# Altium PCB pcb_88.PcbDoc (part 3 of 3)
Units mil, origin at the board's own origin, x right, y up, seen from the top; angles counter-clockwise.
Board outline 3464.57 x 3464.57 mil, 4 copper layers (Top Layer, Layer 1, Layer 2, Bottom Layer), stack 61.772 mil thick; 395 components, 296 nets, 1218 pads, 390 vias.
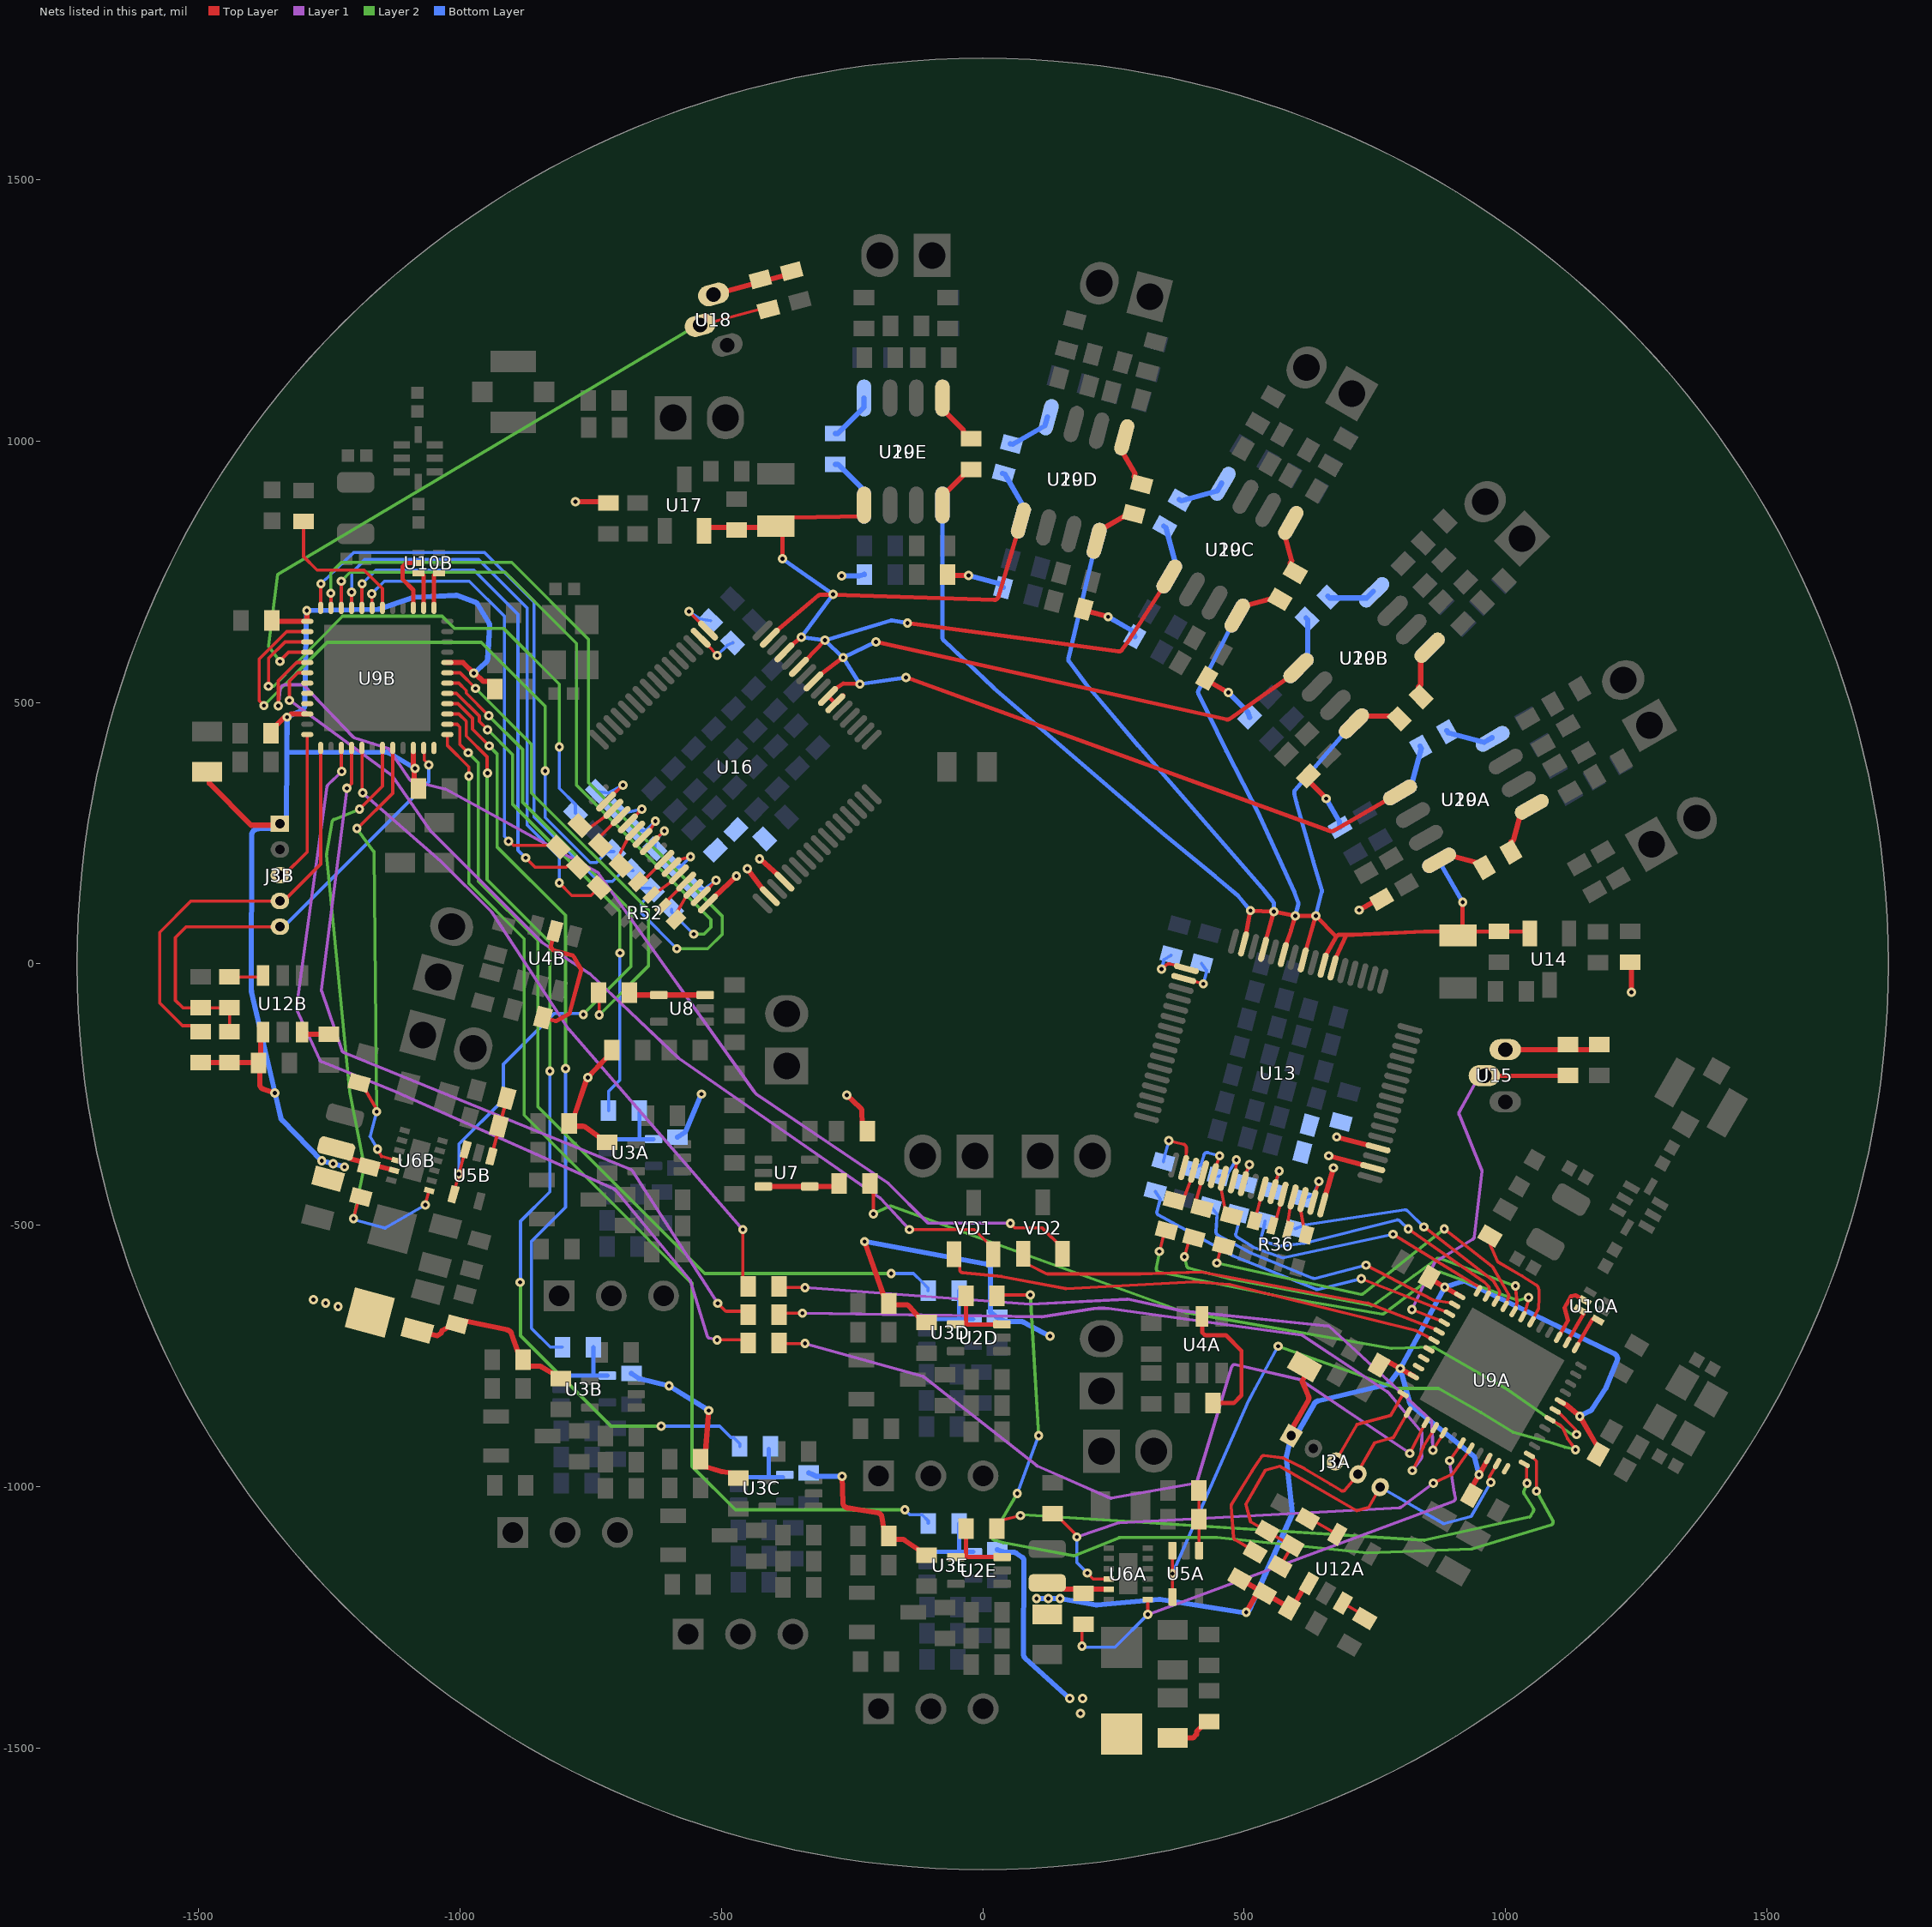
[diagram p5: the nets of this part, all layers, seen from the top]

## Via types
v1: diameter 17.72, hole 7.87, Top Layer to Bottom Layer, tented both sides, 360 vias
v2: diameter 17.72, hole 7.87, Top Layer to Bottom Layer, 24 vias
v3: diameter 19.68, hole 11.81, Top Layer to Bottom Layer, 6 vias

## Nets (pads, with @x,y where several pads share a name; then routed paths per layer and width w, separated by ;. In a path a pad name is that pad's centre, name@x,y a point inside that pad or via, vN(x,y) a via of type N, cw(c..) or ccw(c..) an arc to the next point about the centre after c; other vN are vias at no path point) (continued)
NetR3D_1: R3D.1 U2D.3 U2D.4 | length 149.1
  Top Layer w8: U2D.4@-51.82,-689.41 -30.5,-689.41 ; R3D.1@-32.06,-635 -32.05,-687.86 -30.5,-689.41 ; U2D.3@27,-685.54 U2D.3@30.87,-689.41 ; U2D.3@36.76,-689.41 U2D.3@30.87,-689.41 ; -30.5,-689.41 U2D.3@30.87,-689.41
NetR3D_2: R3D.2 U9A.38 | length 1789.3
  Top Layer w6: R3D.2@27,-635 38.76,-633 v1(91,-633) ; U9A.38@1045.81,-939.16 1047.47,-939.16 1059.22,-950.91 v1(1059.22,-1008.18)
  Layer 2 w6: 22.36,-1102.15 cw(c24.07,-1096.39) 18.9,-1093.35 v1(66,-1013) ; 22.39,-1102.15 38.72,-1106.92 ccw(c40.39,-1101.15) 39.29,-1107.05 173.26,-1131.68 ccw(c174.37,-1125.78) 176.61,-1131.35 260.91,-1097.44 cw(c263.16,-1103) 263.16,-1097 447.88,-1097 735.76,-1126.66 736.18,-1126.66 736.29,-1126.66 934.89,-1119.3 935.64,-1119.07 1086.88,-1073.16 ccw(c1085.16,-1067.41) 1090.42,-1064.53 ; v1(91,-633) v1(107,-902) ; v1(1059.22,-1008.18) 1090.41,-1064.51
  Bottom Layer w6: v1(66,-1013) v1(107,-902)
NetR3E_1: R3E.1 U2E.3 U2E.4 | length 149.1
  Top Layer w8: U2E.4@-51.54,-1134.53 -30.23,-1134.53 ; R3E.1@-31.78,-1080.12 -31.78,-1132.98 -30.23,-1134.53 ; U2E.3@27.28,-1130.65 U2E.3@31.15,-1134.53 ; U2E.3@37.04,-1134.53 U2E.3@31.15,-1134.53 ; -30.23,-1134.53 U2E.3@31.15,-1134.53
NetR3E_2: R3E.2 U9A.37 | length 1148
  Top Layer w6: R3E.2@27.28,-1080.12 39.04,-1063.43 v1(72,-1055) ; U9A.37@1035.97,-956.21 1040.25,-960.5 1040.25,-992.25 v1(1041,-993)
  Layer 2 w6: v1(72,-1055) 73.45,-1053.72 75.89,-1053.72 844.12,-1102.16 844.96,-1102.16 845.6,-1102.02 1046.09,-1057.84 1047.87,-1056.07 1048.26,-1055.41 1053.12,-1047.18 ccw(c1047.96,-1044.12) 1053.03,-1040.9 ; v1(1041,-993) 1035.1,-1008.17 ccw(c1040.69,-1010.34) 1035.62,-1013.55 1053.02,-1040.89
NetR6A_1: R6A.1 U3A.3 U3A.4 | length 143
  Bottom Layer w8: U3A.3@-717.97,-335.12 -656.65,-335.12 ; R6A.1@-656.59,-280.71 -656.59,-335.05 -656.65,-335.12 ; U3A.4@-629.39,-335.12 -656.65,-335.12
NetR6A_2: R6A.2 U9B.41 | length 954.2
  Top Layer w6: U9B.41@-1024.14,517.47 -1006.47,517.47 -962.86,473.86 -962.86,463.86 v1(-947,448)
  Layer 2 w6: v1(-947,448) -899,400 -899,305 -694,100 v1(-694,21)
  Bottom Layer w6: R6A.2@-715.65,-280.71 -715.65,-243.65 -694,-222 v1(-694,21)
NetR6B_1: R6B.1 U3B.3 U3B.4 | length 143
  Bottom Layer w8: U3B.3@-806.32,-787.36 -745,-787.36 ; R6B.1@-744.94,-732.95 -744.94,-787.3 -745,-787.36 ; U3B.4@-717.73,-787.36 -745,-787.36
NetR6B_2: R6B.2 U9B.40 | length 1401.4
  Top Layer w6: U9B.40@-1024.14,497.79 -1003.79,497.79 -976,470 -976,449 -944.13,417.13 v1(-943.87,417.13)
  Layer 2 w6: v1(-943.87,417.13) -943.87,416.87 -929,402 -929,224 -798,93 v1(-798,-200)
  Bottom Layer w6: R6B.2@-803.99,-732.95 -827.05,-732.95 -863.06,-696.94 -863.06,-530.5 -798,-465.44 v1(-798,-200)
NetR6C_1: R6C.1 U3C.3 U3C.4 | length 143
  Bottom Layer w8: U3C.3@-470.58,-981.98 -409.27,-981.98 ; R6C.1@-409.2,-927.57 -409.2,-981.91 -409.27,-981.98 ; U3C.4@-382,-981.98 -409.27,-981.98
NetR6C_2: R6C.2 U9B.39 | length 1817.4
  Top Layer w6: U9B.39@-1024.14,478.1 -1002.1,478.1 -988,464 -988,436 -948,396 -948,365.72 v1(-947.28,365)
  Layer 2 w6: v1(-947.28,365) -948,364.28 -948,161 -828,41 v1(-828,-205) ; v1(-885,-609) -884,-610 -884,-711 -711,-884 v1(-615,-884)
  Bottom Layer w6: v1@-884,-609 -884,-492 -828,-436 v1(-828,-205) ; v1(-615,-884) -503.35,-884 -481.33,-906.02 -476.41,-906.02 -464.65,-917.79 R6C.2@-464.65,-922.71
NetR6D_1: R6D.1 U3D.3 U3D.4 | length 143
  Bottom Layer w8: U3D.3@-106.82,-679.41 -45.5,-679.41 ; R6D.1@-45.44,-625 -45.44,-679.35 -45.5,-679.41 ; U3D.4@-18.24,-679.41 -45.5,-679.41
NetR6D_2: R6D.2 U9B.38 | length 1709.3
  Top Layer w6: U9B.38@-1024.14,458.42 -1005.42,458.42 -1000,453 -1000,420 v1(-984,404)
  Layer 2 w6: v1(-984,404) -965.14,385.14 -965.14,159.14 -851,45 -851,-273 -532,-592 v1(-175,-592)
  Bottom Layer w6: v1(-175,-592) -132.57,-592 -116.26,-608.31 -104.5,-620.08 R6D.2@-104.5,-625
NetR6E_1: R6E.1 U3E.3 U3E.4 | length 143
  Bottom Layer w8: U3E.3@-106.54,-1124.53 -45.23,-1124.53 ; R6E.1@-45.16,-1070.12 -45.16,-1124.46 -45.23,-1124.53 ; U3E.4@-17.96,-1124.53 -45.23,-1124.53
NetR6E_2: R6E.2 U9B.37 | length 2093.5
  Top Layer w6: U9B.37@-1024.14,438.73 -1024.14,418.14 -983,377 v1(-983,359)
  Layer 2 w6: v1(-983,359) -983,154 -877,48 -877,-289 -640,-526 -640,-527 -556,-611 -556,-961 -473,-1044 v1(-149,-1044)
  Bottom Layer w6: v1(-149,-1044) -139.57,-1053.43 -115.98,-1053.43 -104.22,-1065.2 R6E.2@-104.22,-1070.12
NetR9A_1: R9A.1 U4A.2 | length 265.8
  Top Layer w8: U4A.2@419.76,-674.4 419.76,-704.76 425,-710 465,-710 495,-740 495,-825 480,-840 R9A.1@440.56,-840
NetR9B_1: R9B.1 U4B.2 | length 251
  Top Layer w8: R9B.1@-841.21,-102.65 -818.9,-108.63 -817.88,-108.9 -814.69,-108.9 -793.18,-96.49 -792.27,-95.96 -790.01,-93.7 -768.49,-13.39 -768.49,-10.19 -769.56,-8.34 -782.06,13.3 -782.58,14.21 -784.85,16.48 -821.22,26.22 -823.48,28.48 -824.01,29.39 -826.3,33.36 U4B.2@-818.44,62.69
NetR10A_1: R10A.1 R11A.2 U5A.1 | length 115.4
  Top Layer w6: R11A.2@412.94,-1007 414,-1008.06 U5A.1@414,-1122
NetR10B_1: R10B.1 R11B.2 U5B.1 | length 115.4
  Top Layer w6: U5B.1@-939.85,-368.16 -910.36,-258.11 R11B.2@-911.12,-256.81
NetR12A_1: R12A.1 U6A.7 U9A.31 | length 968.5
  Top Layer w6: v1(190,-1305) 190,-1266 R12A.1@193,-1263 ; v1(315.83,-1244.17) U6A.7@315.83,-1215.69 ; v1(893,-950) 912.23,-922.5 U9A.31@915.77,-916.36
  Layer 1 w6: v1(315.83,-1244.17) 900.19,-1027.78 ccw(c898.11,-1022.15) 904,-1021 902.02,-1011.11 cw(c907.91,-1009.97) 901.98,-1010.88 ; v1(893,-950) 901.98,-1010.85
  Bottom Layer w6: v1(190,-1305) 192,-1307 253,-1307 v1(315.83,-1244.17)
NetR12B_1: R12B.1 U6B.7 U9B.31 | length 1185
  Top Layer w6: v1(-1203.59,-486.96) -1193.49,-449.28 R12B.1@-1189.82,-447.16 ; v1(-1192,296) -1148.16,339.84 U9B.31@-1148.16,413.14 ; v1(-1066.29,-460.76) U6B.7@-1058.92,-433.25
  Layer 2 w6: -1210.94,-244.28 -1183.23,-385.82 cw(c-1189.12,-386.97) -1183.24,-388.16 ; -1210.95,-244.25 cw(c-1205.06,-243.13) -1211.03,-243.68 -1254.92,208.21 cw(c-1248.95,208.79) -1254.87,209.78 -1244.55,271.68 cw(c-1238.63,270.7) -1240.88,276.26 v1(-1192,296) ; v1(-1203.59,-486.96) -1183.24,-388.18
  Bottom Layer w6: v1(-1203.59,-486.96) -1202.17,-489.41 -1143.25,-505.19 v1(-1066.29,-460.76)
NetR14A_2: R14A.2 U6A.4 U9A.32 | length 993.1
  Top Layer w6: R14A.2@133.41,-1051.53 138.33,-1051.53 180,-1093.2 v1(180,-1096) ; v1(200,-1165) 211.32,-1176.32 U6A.4@241.03,-1176.32 ; v1(862,-993) 899.13,-975.49 929.28,-932.34 U9A.32@932.82,-926.21
  Layer 1 w6: v1(180,-1096) 259.22,-1069.26 cw(c261.14,-1074.95) 260.79,-1068.96 797.22,-1040.1 ccw(c796.87,-1034.11) 800.45,-1038.92 v1(862,-993)
  Bottom Layer w6: v1(180,-1096) 180,-1145 v1(200,-1165)
NetR14B_2: R14B.2 U6B.4 U9B.32 | length 925
  Top Layer w6: v1(-1197,259) -1196,259 -1128.47,326.53 U9B.32@-1128.47,413.14 ; R14B.2@-1192.64,-227.47 -1187.89,-228.75 -1158.43,-279.78 v1(-1159.15,-282.49) ; v1(-1157.69,-354.31) -1149.69,-368.17 U6B.4@-1120.99,-375.86
  Layer 2 w6: v1(-1197,259) -1165.14,215.56 cw(c-1169.98,212.01) -1163.98,212.1 ; -1163.98,212.07 v1(-1159.15,-282.49)
  Bottom Layer w6: v1(-1159.15,-282.49) -1171.83,-329.82 v1(-1157.69,-354.31)
NetR15_2: R15.2 U9A.6 | length 214.7
  Top Layer w6: R15.2@970.24,-520.57 968.06,-526.01 967.63,-527.08 967.63,-529.47 984.48,-568.78 985.61,-569.91 986.14,-570.44 ; U9A.6@1049.63,-684.51 1053.17,-678.38 1063.05,-659.03 1063.86,-638.4 1063.86,-623.6 1061.58,-616.6 1059.96,-614.98 1059.5,-614.51 1058.95,-614.16 1031.83,-596.83 986.17,-570.47 ; 986.14,-570.44 986.17,-570.47
NetR16_1: R16.1 U9B.6 | length 280.7
  Top Layer w6: R16.1@-1299.03,846.32 -1299.03,779.03 -1273.39,753.39 -1183.39,753.39 -1148.16,718.16 U9B.6@-1148.16,680.86
NetR18A_2: R18A.2 U12A.3 | length 53
  Top Layer w6: U12A.3@688.73,-1222.4 729.08,-1245.7 R18A.2@730.74,-1251.9
NetR18B_2: R18B.2 U12B.3 | length 53
  Top Layer w10: U12B.3@-1301.67,-130.22 -1297.12,-134.77 R18B.2@-1250.54,-134.77
NetR19A_1: R19A.1 U12A.6 | length 65.2
  Top Layer w6: R19A.1@621.19,-1061.64 625.04,-1060.61 U12A.6@678.09,-1091.24
NetR19B_1: R19B.1 U12B.6 | length 65.2
  Top Layer w6: R19B.1@-1440.54,-24.77 -1379.28,-24.77 U12B.6@-1376.47,-21.96
NetR23_1: R23.1 U9B.29 | length 1310.6
  Top Layer w6: U9B.29@-1187.53,413.14 -1186.87,412.48 -1186.87,327.87 v1(-1186.13,327.13) ; v1(-459,-508) -459,-600.31 R23.1@-448.53,-617
  Layer 1 w6: v1(-1186.13,327.13) -1037.15,197.13 ; -1037.13,197.11 cw(c-1041.1,192.61) -1036.86,196.86 -939.44,99.44 ; -939.42,99.42 cw(c-943.68,95.19) -938.66,98.48 -792.22,-124.66 ; -792.21,-124.69 ccw(c-787.21,-121.37) -791.71,-125.33 v1(-459,-508)
NetR23_2: R23.2 U9A.29 | length 1419.8
  Top Layer w6: R23.2@-389.47,-617 -377.71,-619 v1(-340,-619) ; v1(861,-930) 878.97,-901.36 U9A.29@881.67,-896.68
  Layer 1 w6: v1(-340,-619) 89.68,-650.81 ccw(c91,-633) 91.92,-650.83 275.75,-641.21 275.91,-641.2 276.7,-641.2 380.21,-663.47 380.53,-663.53 660.18,-692.42 662.17,-692.62 856.97,-872.2 858.72,-873.94 858.81,-876.28 v1(861,-930)
NetR24_1: R24.1 U9B.28 | length 1561.8
  Top Layer w6: v1(-1216,336) -1207.21,344.79 U9B.28@-1207.21,413.14 ; v1(-507,-649) -493.37,-662.63 ccw(c-489.13,-658.38) -489.13,-664.38 -460.29,-664.38 R24.1@-448.53,-671
  Layer 1 w6: -1264.83,-49.65 ccw(c-1258.87,-50.37) -1264.54,-52.35 -1225.88,-165.42 ; -1264.83,-49.62 v1(-1216,336) ; -1225.87,-165.45 ccw(c-1220.21,-163.48) -1222.45,-169.04 -672.76,-393.28 cw(c-675.02,-398.84) -669.97,-395.59 v1(-507,-649)
NetR24_2: R24.2 U9A.28 | length 1474.5
  Top Layer w6: R24.2@-389.47,-671 -377.71,-668 v1(-345,-668) ; v1(822,-969) 834.86,-943.4 843.14,-922.6 861.16,-892.85 U9A.28@864.63,-886.84
  Layer 1 w6: v1(-345,-668) 113,-675 211.96,-659.29 cw(c221.13,-717) 221.13,-658.57 232.94,-658.57 cw(c232.94,-717) 240.9,-659.11 609.64,-709.81 cw(c608.82,-715.76) 612.14,-710.76 774.29,-818.53 cw(c770.97,-823.52) 775.55,-819.65 838.53,-894.26 cw(c833.94,-898.13) 839.94,-898.28 839.01,-935.55 ccw(c845.01,-935.7) 839.05,-936.42 839.71,-941.66 ; v1(822,-969) 838.62,-945.92 ccw(c833.75,-942.41) 839.71,-941.68
NetR25_1: R25.1 U9B.27 | length 1658.8
  Top Layer w6: U9B.27@-1226.9,413.14 -1226.9,368.9 v1(-1226,368) ; v1(-508,-719) -460.29,-719 R25.1@-448.53,-725
  Layer 1 w6: v1(-1226,368) -1252.51,342.44 ccw(c-1248.34,338.12) -1254.28,338.97 -1312.76,-83.28 ccw(c-1306.82,-84.1) -1312.29,-86.55 -1267.99,-183.83 ccw(c-1262.53,-181.34) -1264.82,-186.89 -1124.09,-243.96 ; -1124.07,-243.97 cw(c-1126.35,-249.52) -1123.91,-244.04 -705.28,-430.43 ; -705.25,-430.44 cw(c-707.72,-435.91) -703.1,-432.08 -559.77,-605.07 ; -559.75,-605.09 cw(c-564.39,-608.9) -558.65,-607.16 -527.02,-711.64 ccw(c-521.27,-709.9) -522.61,-715.75 v1(-508,-719)
NetR25_2: R25.2 U9A.27 | length 1568.7
  Top Layer w6: R25.2@-389.47,-725 -377.71,-726 v1(-340,-726) ; v1(817,-936) 844.04,-883.13 U9A.27@847.58,-876.99
  Layer 1 w6: v1(-340,-726) -115.15,-788.68 cw(c-116.76,-794.46) -113.08,-789.72 ; -113.06,-789.74 103.43,-959.55 ccw(c107.11,-954.81) 104.67,-960.29 ; 104.69,-960.3 243.37,-1021.28 ccw(c245.75,-1015.77) 246.76,-1021.69 ; 246.79,-1021.68 405.4,-993.64 ccw(c404.32,-987.73) 410.07,-989.47 476.37,-770.4 cw(c482.11,-772.12) 483.44,-766.27 605.93,-794.75 cw(c604.57,-800.6) 607.9,-795.6 v1(817,-936)
NetR26_1: R26.1 U7.3 U7.4 | length 147.1
  Top Layer w10: U7.3@-419.29,-425.59 U7.4@-330.71,-425.59 -280.12,-425.59 R26.1@-274.53,-420
NetR26_2: R26.2 U9A.43 | length 1562.4
  Top Layer w6: R26.2@-215.47,-420 -209,-436.69 v1(-209,-478) ; U9A.43@1095.02,-853.92 1097.62,-853.92 1133.76,-890.06 1133.76,-897.76 v1(1136,-900)
  Layer 2 w6: v1(-209,-478) -178.63,-463.75 -177.42,-463.18 -175.03,-463.18 388.29,-666.73 388.81,-666.82 781.61,-735.38 782.22,-735.38 782.31,-735.37 861.3,-733.05 cw(c861.48,-739.05) 864.46,-733.84 1003.73,-813.84 1004.24,-814.17 1127.81,-900.24 1135.76,-900.24 v1(1136,-900)
NetR28_1: R28.1 U13.47 | length 71.4
  Top Layer w6: U13.47@636.34,-437.75 v1(643,-416)
  Bottom Layer w6: R28.1@613.19,-449.15 632.35,-442.11 v1(643,-416)
NetR28_2: R28.2 U9A.10 | length 474.6
  Top Layer w6: v1(844,-503) 975.76,-605.04 ; 975.79,-605.07 cw(c972.06,-609.76) 977.24,-606.74 988.1,-625.37 cw(c982.91,-628.39) 988.45,-630.71 984.98,-639.01 U9A.10@981.44,-645.14
  Bottom Layer w6: R28.2@597.91,-506.2 617.07,-499.15 807.11,-470.49 cw(c808.01,-476.43) 812.16,-472.1 ; 812.19,-472.12 v1(844,-503)
NetR30_1: R30.1 U13.39 | length 89.8
  Top Layer w6: U13.39@479.39,-415.06 484.23,-396.99 v1(485,-375)
  Bottom Layer w6: R30.1@450.47,-406.29 469.63,-399.24 v1(485,-375)
NetR30_2: R30.2 U9A.14 | length 553.4
  Top Layer w6: v1(733,-576) 861.1,-642.53 ccw(c863.89,-637.22) 862.95,-643.15 896.41,-648.33 U9A.14@902.54,-651.87
  Bottom Layer w6: R30.2@435.19,-463.33 448.26,-479.01 446.21,-512.5 ; 446.21,-512.53 ccw(c452.2,-512.87) 448.95,-517.91 ccw(c452.2,-512.87) 449.33,-518.13 512.01,-552.37 ccw(c520.64,-536.57) 513.83,-553.24 632.05,-601.26 ccw(c634.33,-595.71) 635.82,-601.52 v1(733,-576)
NetR31_1: R31.1 U13.40 | length 75.2
  Top Layer w6: U13.40@498.4,-420.15 503.24,-402.09 v1(510,-384)
  Bottom Layer w6: R31.1@502.98,-420.36 503.48,-408.31 v1(510,-384)
NetR31_2: R31.2 U9A.12 | length 559.2
  Top Layer w6: v1(785,-517) 946.2,-616.18 cw(c942.89,-621.18) 948.08,-624.18 U9A.12@947.34,-625.46
  Bottom Layer w6: 484.14,-515.75 ccw(c489.94,-517.28) 486.73,-522.34 517.44,-541.65 ccw(c520.64,-536.57) 518.64,-542.23 573.88,-561.96 ccw(c575.9,-556.31) 574.1,-562.03 v1(785,-517) ; 484.15,-515.72 490.92,-490.44 R31.2@487.7,-477.4
NetR32_1: R32.1 U13.34 | length 118.3
  Top Layer w6: v1(356,-338) 383.7,-344.69 cw(c382.29,-350.52) 386.04,-345.83 387.33,-346.87 cw(c383.58,-351.55) 389.58,-351.68 389.16,-371.52 U13.34@384.32,-389.58
  Bottom Layer w6: R32.1@345.45,-378.15 348.3,-366.73 v1(356,-338)
NetR32_2: R32.2 U9A.15 | length 654.2
  Top Layer w6: v1(724,-602) 857.35,-653.99 886.56,-665.38 U9A.15@892.7,-668.92
  Bottom Layer w6: R32.2@330.16,-435.19 339.53,-449.88 333.22,-473.45 ccw(c339.02,-475) 336.15,-480.27 479.69,-558.83 ccw(c482.57,-553.57) 480.3,-559.12 637.2,-622.28 ccw(c639.44,-616.71) 640.89,-622.53 v1(724,-602)
NetR33_1: R33.1 U13.43 | length 69.4
  Top Layer w6: U13.43@555.44,-435.43 560.29,-417.37 v1(567,-396)
  Bottom Layer w6: R33.1@559.67,-423.37 v1(567,-396)
NetR33_2: R33.2 U9A.11 | length 541.9
  Top Layer w6: v1(814,-507) 958.74,-608.07 cw(c950.89,-619.32) 960.65,-609.68 967.02,-616.12 cw(c962.75,-620.34) 968.72,-620.88 967.93,-629.16 U9A.11@964.39,-635.3
  Bottom Layer w6: R33.2@540.21,-491.47 537.95,-503.05 532.54,-523.26 ccw(c538.33,-524.81) 536.76,-530.6 569.68,-539.75 614.16,-534.49 ccw(c613.1,-525.55) 615.3,-534.28 791.73,-489.74 cw(c793.2,-495.56) 797.3,-491.18 v1(814,-507)
NetR34_1: R34.1 U13.37 | length 113.6
  Top Layer w6: U13.37@441.36,-404.87 446.2,-386.8 v1(453,-367)
  Bottom Layer w6: R34.1@397.96,-392.22 417.12,-385.17 423.25,-365.01 cw(c428.99,-366.75) 430.52,-360.95 ; 430.55,-360.96 v1(453,-367)
NetR36_1: R36.1 U13.46 | length 69.1
  Top Layer w6: U13.46@612.49,-450.72 607.65,-468.78 613.89,-502.33 R36.1@618.84,-517.87
NetR36_2: R36.2 U13.45 | length 64.2
  Top Layer w6: R36.2@584.62,-508.7 583.46,-494.18 588.63,-463.69 U13.45@593.47,-445.62
NetR36_3: R36.3 U13.44 | length 63.8
  Top Layer w6: R36.3@554.2,-500.55 561.65,-488.33 569.62,-458.59 U13.44@574.46,-440.53
NetR36_4: R36.4 U13.42 | length 63.2
  Top Layer w6: R36.4@519.97,-491.38 523.62,-478.14 531.59,-448.4 U13.42@536.43,-430.34
NetR39_1: R39.1 U13.17 | length 87.5
  Top Layer w6: v1(342,-10) 352.5,-1.11 cw(c356.38,-5.69) 358.1,0.05 ; 358.13,0.05 371.46,-4.02 U13.17@389.53,-8.86
  Bottom Layer w6: v1(342,-10) 346.9,8.28 R39.1@360.61,16.79
NetR40_1: R40.1 U9A.16 U15.2 | length 765.4
  Top Layer w6: v1(821,-661) 876.72,-682.43 U9A.16@882.86,-685.97
  Top Layer w8: U15.2@959.58,-213.76 1103.89,-213.76 R40.1@1119.58,-213.29
  Layer 1 w6: v1(821,-661) 864.22,-571.61 cw(c869.62,-574.22) 866.54,-569.08 937.47,-526.52 ccw(c934.37,-521.38) 940.33,-522.08 ; 940.33,-522.07 954.82,-396.53 ; 954.83,-396.5 ccw(c948.86,-395.84) 954.42,-393.57 911.24,-288.02 cw(c916.79,-285.75) 911.53,-282.85 949.58,-213.76 U15.2@959.58,-213.76
  Bottom Layer w6: U15.2@949.58,-213.76 U15.2@959.58,-213.76
NetR41_1: R41.1 U16.47 | length 91.9
  Top Layer w6: U16.47@-539.41,129.66 -526.19,142.88 -512.01,156.99 -511.5,157.5 -510,159 v1(-510,160)
  Bottom Layer w6: R41.1@-553.43,146.33 -533.32,142.85 v1(-510,160)
NetR41_2: R41.2 U9B.10 | length 1317.4
  Top Layer w6: v1(-1227,732) -1226.9,731.9 U9B.10@-1226.9,680.86
  Layer 2 w6: v1(-1227,732) -1210,749 -913,749 -777,613 -777,342 -520,85 -520,70 -533,57 v1(-553,57)
  Bottom Layer w6: R41.2@-595.19,104.57 -595.19,99.19 v1(-553,57)
NetR43_1: R43.1 U16.39 | length 86.4
  Top Layer w6: U16.39@-650.77,241.01 -637.55,254.24 v1(-626,273)
  Bottom Layer w6: R43.1@-663.74,256.64 -644.73,254.27 v1(-626,273)
NetR43_2: R43.2 U9B.14 | length 1234.2
  Top Layer w6: v1(-1375,494) -1375,494.37 -1384,503.37 -1384,583.23 -1331.64,635.58 U9B.14@-1291.86,635.58
  Layer 2 w6: v1(-1375,494) -1254,615 -959,615 -837,493 v1(-837,369)
  Bottom Layer w6: v1(-837,369) -837,280 -751,194 -739,194 -718.12,214.88 R43.2@-705.5,214.88
NetR44_1: R44.1 U16.40 | length 80.2
  Top Layer w6: U16.40@-636.85,227.09 -623.63,240.32 v1(-609,254)
  Bottom Layer w6: R44.1@-626.97,219.87 -626.73,236.27 v1(-609,254)
NetR44_2: R44.2 U9B.12 | length 1178.2
  Top Layer w6: U9B.12@-1266.27,680.86 -1266.27,726.73 v1(-1266,727)
  Bottom Layer w6: v1(-1266,727) -1203.14,787 -953,787 -858,692 -858,281 -735,158 -708,158 -686.63,179.37 -669.99,179.37 R44.2@-668.73,178.11
NetR45_1: R45.1 U16.34 | length 98.4
  Top Layer w6: U16.34@-720.37,310.61 -707.14,323.83 v1(-688,342)
  Bottom Layer w6: R45.1@-737.28,330.18 -717.16,326.7 v1(-688,342)
NetR45_2: R45.2 U9B.15 | length 1066.1
  Top Layer w6: v1(-1366.14,531) -1366.14,584.11 -1334.36,615.9 U9B.15@-1291.86,615.9
  Layer 2 w6: v1(-1366.14,531) -1358.6,531.07 -1356.15,531.09 -1354.38,532.85 -1226.33,663.22 ; -1226.3,663.24 -1224.55,665 -1034,665 -1011,642 -917,642 -810,535 v1(-810,415)
  Bottom Layer w6: v1(-810,415) -810,336.02 -779.04,305.06 R45.2@-779.04,288.42
NetR46_1: R46.1 U16.43 | length 81.7
  Top Layer w6: U16.43@-595.09,185.33 -581.87,198.56 v1(-559,205)
  Bottom Layer w6: R46.1@-590.2,183.1 -577.23,186.77 v1(-559,205)
NetR46_2: R46.2 U9B.11 | length 1568.9
  Top Layer w6: v1(-1247,709) -1246.58,708.58 U9B.11@-1246.58,680.86
  Layer 2 w6: v1(-1247,709) -1247,748 -1227,768 -901,768 -754,621 -754,347 -498,91 -498,57 -526,29 v1(-585,29)
  Bottom Layer w6: R46.2@-652.08,144.82 -635.44,144.82 R46.2@-631.96,141.34 -631.96,137.04 -653,116 -653,97 v1(-585,29)
NetR47_1: R47.1 U16.37 | length 87.5
  Top Layer w6: U16.37@-678.61,268.85 -665.38,282.07 v1(-652,296)
  Bottom Layer w6: R47.1@-700.51,293.41 -680.39,289.93 v1(-652,296)
NetR49_1: R49.1 U13.18 | length 82.1
  Top Layer w6: U13.18@384.43,-27.88 402.5,-32.72 v1(422,-38)
  Bottom Layer w6: R49.1@418.56,1.26 428.54,-13.59 v1(422,-38)
NetR52_1: R52.1 U16.46 | length 69.1
  Top Layer w6: R52.1@-586.84,84.78 -583.36,100.72 -566.56,130.35 U16.46@-553.33,143.58
NetR52_2: R52.2 U16.45 | length 65.4
  Top Layer w6: R52.2@-611.9,109.83 -603.7,121.05 U16.45@-567.25,157.5
NetR52_3: R52.3 U16.44 | length 66.5
  Top Layer w6: R52.3@-634.17,132.1 -621.01,138.37 -594.4,158.19 U16.44@-581.17,171.42
NetR52_4: R52.4 U16.42 | length 66.4
  Top Layer w6: R52.4@-659.22,157.16 -645.45,162.81 U16.42@-609.01,199.25
NetR53_1: R53.1 U9B.16 U18.2 | length 1308.6
  Top Layer w6: v1(-1344,578.5) -1344,580 -1327.79,596.21 U9B.16@-1291.86,596.21 ; U18.2@-540.48,1221.72 -530.82,1224.31 -427.17,1252.08 R53.1@-409.88,1252.03
  Layer 2 w6: v1(-1344,578.5) -1364.8,605.51 -1366.05,607.12 -1366.05,609.55 -1348.48,744.93 -550.14,1219.13 U18.2@-540.48,1221.72
NetR57A_1: R57A.1 U19A.1 | length 93.5
  Bottom Layer w10: R57A.1@887.77,446.29 890.23,442.03 958.64,423.7 U19A.1@974.02,432.58
NetR57A_2: R57A.2 U19A.8 | length 103.5
  Bottom Layer w10: U19A.8@796.72,330.21 797.95,334.8 821.99,348.68 839.09,412.5 R57A.2@836.63,416.76
NetR57B_1: R57B.1 U19B.1 | length 93.5
  Bottom Layer w10: R57B.1@660.1,703.5 663.58,700.02 734.4,700.02 U19B.1@746.95,712.57
NetR57B_2: R57B.2 U19B.8 | length 103.5